# KiCad board MothBox.kicad_pcb (continued)
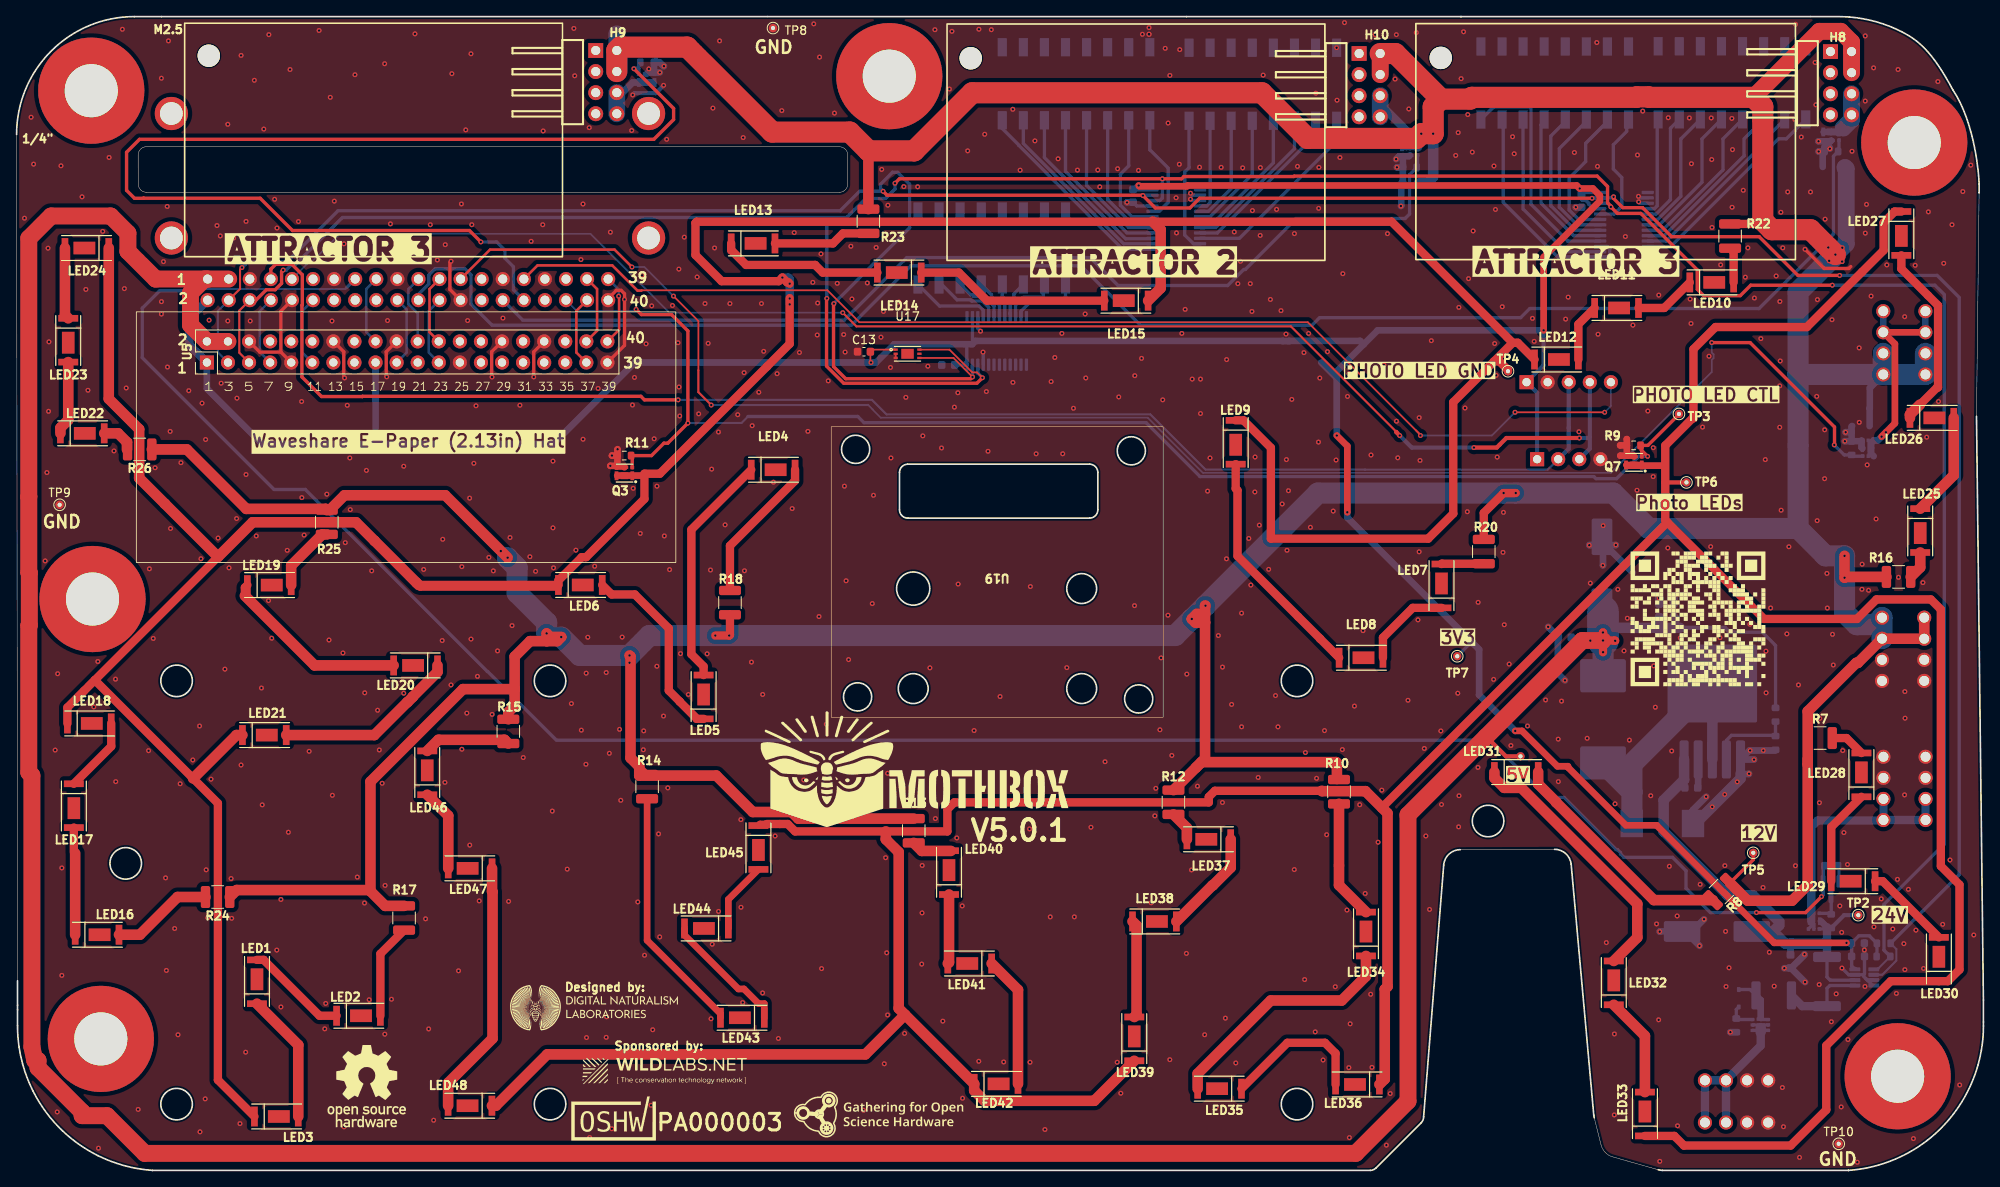
[diagram p0: board, top side]
## Nets
+3.3V: C6.1 C7.2 C8.1 C9.2 C12.2 C13.2 H1.1 R5.2 R6.2 TP7.1 U3.4 U5.1 U5.17 U7.2 U8.1 U9.2 U9.24 U15.24 U16.21 U16.24 U17.1
+5V: C4.1 C5.1 C10.1 C11.1 L1.2 R2.1 TP1.1 U5.2 U5.4 U7.1 U7.3
+12V: D2.1 D5.1 D6.1 D7.1 H8.2 H8.4 H9.2 H9.4 H10.2 H10.4 J1.1 J1.2 J4.3 J4.4 R7.1 R8.1 R10.1 R12.1 R13.1 R14.1 R15.1 R16.1 R17.1 R18.1 R20.1 R22.1 R23.1 R24.1 R25.1 R26.1 TP5.1
+24V: C1.1 C2.1 C3.1 Q8.4 Q8.7 R4.1 R30.1 TP2.1 U2.5 U3.2
GND: C1.2 C2.2 C4.2 C5.2 C6.2 C7.1 C8.2 C9.1 C10.2 C11.2 C12.1 C13.1 D2.2 D5.2 D6.2 D7.2 E1.2 H1.4 J1.3 J1.4 J2.1 J2.2 J3.1 J3.2 Q2.2 Q3.4 Q3.7 Q4.4 Q4.7 Q5.4 Q5.7 Q6.4 Q6.7 Q7.4 Q7.7 Q9.4 Q9.7 R1.2 R3.2 R9.2 R11.2 R19.2 R21.2 R27.2 R29.2 R31.2 TP8.1 TP9.1 TP10.1 U2.1 U3.3 U3.7 U3.8 U5.6 U5.9 U5.14 U5.20 U5.25 U5.30 U5.34 U5.39 U7.5 U7.10 U7.13 U7.19 U7.26 U7.29 U7.33 U7.40 U8.2 U9.3 U9.12 U9.21 U10.1 U10.2 U10.3 U10.4 U10.5 U10.6 U10.7 U10.8 U11.1 U11.2 U11.3 U11.4 U11.5 U11.6 U11.7 U11.8 U12.1 U12.2 U12.3 U12.4 U12.5 U12.6 U12.7 U12.8 U13.1 U13.2 U13.3 U13.4 U13.5 U13.6 U13.7 U13.8 U14.1 U14.2 U14.3 U14.4 U14.5 U14.6 U14.7 U14.8 U15.2 U15.3 U15.12 U15.21 U16.2 U16.3 U16.12 U17.2 U17.3
/GPS and Switches and Light Sensor/Armed/Disarmed: U11.9 U15.20
/GPS and Switches and Light Sensor/Attractor_1: U9.7 U12.13
/GPS and Switches and Light Sensor/Attractor_2: U9.8 U12.12
/GPS and Switches and Light Sensor/Attractor_3: U9.9 U12.11
/GPS and Switches and Light Sensor/C1: U9.10 U12.10
/GPS and Switches and Light Sensor/C2: U9.11 U12.9
/GPS and Switches and Light Sensor/Fri: U11.14 U15.15
/GPS and Switches and Light Sensor/HI/LOW_PWR: U9.5 U12.15
/GPS and Switches and Light Sensor/Hour_1: U13.16 U16.4
/GPS and Switches and Light Sensor/Hour_2: U13.15 U16.5
/GPS and Switches and Light Sensor/Hour_3: U13.14 U16.6
/GPS and Switches and Light Sensor/Hour_4: U13.13 U16.7
/GPS and Switches and Light Sensor/Hour_5: U13.12 U16.8
/GPS and Switches and Light Sensor/Hour_6: U13.11 U16.9
/GPS and Switches and Light Sensor/Hour_7: U13.10 U16.10
/GPS and Switches and Light Sensor/Hour_8: U13.9 U16.11
/GPS and Switches and Light Sensor/Hour_9: U14.16 U16.15
/GPS and Switches and Light Sensor/Hour_10: U14.15 U16.14
/GPS and Switches and Light Sensor/Hour_11: U14.14 U16.13
/GPS and Switches and Light Sensor/Hour_12: U14.13 U16.16
/GPS and Switches and Light Sensor/Hour_13: U14.12 U16.17
/GPS and Switches and Light Sensor/Hour_14: U14.11 U16.18
/GPS and Switches and Light Sensor/Hour_15: U14.10 U16.19
/GPS and Switches and Light Sensor/Hour_16: U14.9 U16.20
/GPS and Switches and Light Sensor/Hour_17: U10.15 U15.4
/GPS and Switches and Light Sensor/Hour_18: U10.14 U15.5
/GPS and Switches and Light Sensor/Hour_19: U10.13 U15.6
/GPS and Switches and Light Sensor/Hour_20: U10.12 U15.7
/GPS and Switches and Light Sensor/Hour_21: U10.11 U15.8
/GPS and Switches and Light Sensor/Hour_22: U10.10 U15.9
/GPS and Switches and Light Sensor/Hour_23: U10.9 U15.10
/GPS and Switches and Light Sensor/Hour_24: U10.16 U15.11
/GPS and Switches and Light Sensor/INT/EXT_Attractor: U9.6 U12.14
/GPS and Switches and Light Sensor/Mon: U11.10 U15.19
/GPS and Switches and Light Sensor/Sat: U11.15 U15.14
/GPS and Switches and Light Sensor/Sun: U11.16 U15.13
/GPS and Switches and Light Sensor/Test_Debug: U9.4 U12.16
/GPS and Switches and Light Sensor/Thur: U11.13 U15.16
/GPS and Switches and Light Sensor/Tue: U11.11 U15.18
/GPS and Switches and Light Sensor/Wed: U11.12 U15.17
/RPI5/GPIO4/GPIO_GCKL: U5.7 U7.8
/RPI5/Save for eink_11: U5.11 U7.12
/RPI5/Save for eink_18: U5.18 U7.17
/RPI5/Save for eink_19: U5.19 U7.20
/RPI5/Save for eink_22: U5.22 U7.21
/RPI5/Save for eink_23: U5.23 U7.24
/RPI5/Save for eink_24: U5.24 U7.23
/RPI5/Save for relay: U5.38 U7.37
/RPI5/Save for relay 2: U5.40 U7.39
/RPI5/Save for relay 3: U5.37 U7.38
EN_12VReg: Q2.1 R1.1 U7.15
GPS_PPS: U7.31 U8.5
GPS_RX: H1.2 U7.7 U8.3
GPS_TX: H1.3 U7.9 U8.4
PHOTO_LED_CTRL: Q3.3 Q7.3 R9.1 R11.1 TP3.1 U7.36
SCL: R5.1 U3.5 U5.5 U7.6 U9.22 U15.22 U16.22 U17.6
SDA: R6.1 U3.6 U5.3 U7.4 U9.23 U15.23 U16.23 U17.4
UV1_CTRL: Q5.3 R27.1 U7.22
UV2_CTRL: Q9.3 R21.1 U7.30
UV3_CTRL: Q6.3 R31.1 U7.32
UV4_EX_CTRL: Q4.3 R19.1 U7.25
Net-(D1-A): D1.2 Q1.3 R29.1
Net-(D1-K): D1.1 F2.1 Q1.4 Q1.7
Net-(E1-C): E1.1 L1.1 U2.3
Net-(H8-Pad6): H8.6 H8.8 Q5.1 Q5.2 Q5.5 Q5.6 Q5.8
Net-(H9-Pad6): H9.6 H9.8 Q6.1 Q6.2 Q6.5 Q6.6 Q6.8
Net-(H10-Pad6): H10.6 H10.8 Q9.1 Q9.2 Q9.5 Q9.6 Q9.8
Net-(J2-Pin_3): J2.3 J2.4 Q1.1 Q1.2 Q1.5 Q1.6 Q1.8
Net-(J3-Pin_3): J3.3 J3.4 Q8.1 Q8.2 Q8.5 Q8.6 Q8.8
Net-(J4-Pin_1): J4.1 J4.2 Q4.1 Q4.2 Q4.5 Q4.6 Q4.8
Net-(LED1-A): LED1.2 LED2.1
Net-(LED1-K): LED1.1 LED3.2
Net-(LED2-A): LED2.2 R17.2
Net-(LED4-A): LED4.2 R18.2
Net-(LED4-K): LED4.1 LED5.2
Net-(LED5-K): LED5.1 LED6.2
Net-(LED7-A): LED7.2 R20.2
Net-(LED7-K): LED7.1 LED8.2
Net-(LED8-K): LED8.1 LED9.2
Net-(LED10-A): LED10.2 R22.2
Net-(LED10-K): LED10.1 LED11.2
Net-(LED11-K): LED11.1 LED12.2
Net-(LED12-K): LED3.1 LED6.1 LED9.1 LED12.1 LED15.1 LED18.1 LED21.1 LED24.1 Q3.1 Q3.2 Q3.5 Q3.6 Q3.8 TP4.1
Net-(LED13-A): LED13.2 R23.2
Net-(LED13-K): LED13.1 LED14.2
Net-(LED14-K): LED14.1 LED15.2
Net-(LED16-A): LED16.2 R24.2
Net-(LED16-K): LED16.1 LED17.2
Net-(LED17-K): LED17.1 LED18.2
Net-(LED19-A): LED19.2 R25.2
Net-(LED19-K): LED19.1 LED20.2
Net-(LED20-K): LED20.1 LED21.2
Net-(LED22-A): LED22.2 R26.2
Net-(LED22-K): LED22.1 LED23.2
Net-(LED23-K): LED23.1 LED24.2
Net-(LED25-A): LED25.2 R16.2
Net-(LED25-K): LED25.1 LED26.2
Net-(LED26-K): LED26.1 LED27.2
Net-(LED27-K): LED27.1 LED30.1 LED33.1 LED36.1 LED39.1 LED42.1 LED45.1 LED48.1 Q7.1 Q7.2 Q7.5 Q7.6 Q7.8 TP6.1
Net-(LED28-A): LED28.2 R7.2
Net-(LED28-K): LED28.1 LED29.2
Net-(LED29-K): LED29.1 LED30.2
Net-(LED31-A): LED31.2 R8.2
Net-(LED31-K): LED31.1 LED32.2
Net-(LED32-K): LED32.1 LED33.2
Net-(LED34-A): LED34.2 R10.2
Net-(LED34-K): LED34.1 LED35.2
Net-(LED35-K): LED35.1 LED36.2
Net-(LED37-A): LED37.2 R12.2
Net-(LED37-K): LED37.1 LED38.2
Net-(LED38-K): LED38.1 LED39.2
Net-(LED40-A): LED40.2 R13.2
Net-(LED40-K): LED40.1 LED41.2
Net-(LED41-K): LED41.1 LED42.2
Net-(LED43-A): LED43.2 R14.2
Net-(LED43-K): LED43.1 LED44.2
Net-(LED44-K): LED44.1 LED45.2
Net-(LED46-A): LED46.2 R15.2
Net-(LED46-K): LED46.1 LED47.2
Net-(LED47-K): LED47.1 LED48.2
Net-(Q2-D): Q2.3 Q8.3 R30.2
Net-(U2-FB): R2.2 R3.1 U2.2
Net-(U2-VC): C3.2 U2.4
Net-(U3-IN+): F2.2 R4.2 U3.1

Pads without a net: H2 1; H3 1; H4 1; H5 1; H6 1; H7 1; H8 1 3 5 7; H9 1 3 5 7; H10 1 3 5 7; LED1 3; LED2 3; LED3 3; LED4 3; LED5 3; LED6 3; LED7 3; LED8 3; LED9 3; LED10 3; LED11 3; LED12 3; LED13 3; LED14 3; LED15 3; LED16 3; LED17 3; LED18 3; LED19 3; LED20 3; LED21 3; LED22 3; LED23 3; LED24 3; LED25 3; LED26 3; LED27 3; LED28 3; LED29 3; LED30 3; LED31 3; LED32 3; LED33 3; LED34 3; LED35 3; LED36 3; LED37 3; LED38 3; LED39 3; LED40 3; LED41 3; LED42 3; LED43 3; LED44 3; LED45 3; LED46 3; LED47 3; LED48 3; U5 8 10 12 13 15 16 21 26 27 28 29 31 32 33 35 36; U6 S1 S2 S3; U7 11 14 16 18 27 28 34 35; U9 1 13 14 15 16 17 18 19 20; U15 1; U16 1; U17 5 7

## Via types
v1: diameter 0.6, hole 0.3, Top to Bottom, 860 vias

## Routing (per net, layer and track width the routed paths; a pad name or vN(x,y) marks a point on that pad's centre or on a via; arc(x,y) is an arc through that point)
+3.3V: length 436.4
  Top w0.203: v1(102.95,97.34) 102.87,97.42 C13.2 103.12,98.89 U17.1
  Top w0.5: 211.76,27.42 206.11,33.07
  Top w0.8: v1(180.57,52.95) 181.39,52.95 185.65,48.69 186.92,48.69 186.92,48.57 193.91,41.58 197.6,41.58 205.68,33.51 ; 206.11,33.07 205.68,33.51 ; 205.68,33.51 211.76,27.42 v1(220.49,27.42) ; v1(160.34,79.29) 160.34,87.27 v1(159.07,88.54) ; v1(135.2,118.67) 135.29,118.58 141.01,118.58 141.1,118.67 187.97,118.67 v1(188.33,118.31) 189.92,118.31 190.76,117.46 190.76,116.8 183.99,110.02 v1(183.99,101.22)
  Bottom w0.2: 43.25,87.55 43.25,87.54
  Bottom w0.4: 114.3,97.31 114.5,97.51 114.5,99.34 114.3,99.54 ; 114.3,97.31 U9.24 ; 114.3,97.31 114.3,97.04 C12.2 ; C7.2 134.57,118.16 U15.24 ; 115.15,99.54 115.17,99.57 U9.2 ; 221.5,24.36 U3.4 221.1,24.62 C6.1 221.1,27.6 ; 175.66,63.33 174.97,63.33 TP7.1 ; U16.24 188.78,117.83 C9.2 188.55,116.98 188.63,116.9 189.06,116.9 189.42,116.54 189.42,116.42 189.97,115.88 U16.21 ; C8.1 221.96,28.26 223.25,28.26 R6.2 ; 224.15,25.77 224.15,27.42 224.16,27.43
  Bottom w0.5: v1(183.99,101.22) 183.99,97.03 U8.1 183.21,93.7 H1.1
  Bottom w0.8: v1(188.33,118.31) 188.55,118.1 C9.2 ; 162.31,99.53 161.9,99.94 153.33,99.94 153.3,99.91 152.6,99.91 152.57,99.94 115.55,99.94 115.15,99.54 105.75,99.54 103.55,97.34 74.47,97.34 64.67,87.54 29.58,87.54 22.93,94.2 U5.1 ; 159.07,95.47 159.07,96.29 164,101.22 v1(183.99,101.22) ; 159.07,95.47 157.2,97.34 ; 159.07,95.47 v1(159.07,88.54) ; C7.2 134.73,118.2 v1(135.2,118.67) ; U5.17 43.25,87.55 ; v1(180.57,52.95) 180.56,52.95 176.22,57.29 176.22,57.3 176.22,62.77 175.66,63.33 160.34,78.65 v1(160.34,79.29)
  Bottom w1: U5.1 20.8,99.48 20.8,102.64 U7.2
+5V: length 444.4
  Top w0.5: TP1.1 179.45,49.89 177.07,52.27
  Top w1: v1(191.14,64.81) 191.15,64.8 v1(191.15,63.84) ; v1(191.15,63.84) 192.58,63.84 v1(192.61,63.81) ; v1(191.15,63.84) v1(191.15,62.44)
  Top w2.032: U7.1 22.63,107.4 20.95,105.71 20.95,101.86 U5.2 U5.4 ; U7.1 U7.3 ; U7.1 16.75,107.4 13.41,110.73 13.41,112.92 11.34,115 4.15,115 1.47,112.31 1.47,81.17 1.47,81.17 1.47,72.06 1.53,72 1.53,65.69 1.47,65.63 1.47,47.96 1.84,47.58 1.84,14.89 2.19,13.25 2.58,13.25 2.58,12.36 7.9,7.04 7.9,6.59 10.9,6.59 15.44,2.05 161.35,2.05 167.65,8.34 167.65,42.84 188.65,63.84 v1(191.15,63.84)
  Bottom w0.4: 192.15,64.85 v1(191.15,63.84) ; 211.93,55.82 211.93,63.24 210.33,64.85 206.99,64.85
  Bottom w0.5: 191.15,67.34 193.1,65.39 205.85,65.39 206.39,64.85 206.99,64.85
  Bottom w0.8: v1(189.62,63.83) 187.76,63.83 187.37,64.23
  Bottom w1: 197.51,65.39 197.92,65.79 C11.1 ; 199.57,65.39 199.86,65.68 199.86,66.5 C10.1
  Bottom w1.27: 200.39,65.39 192.69,65.39 v1(191.15,63.84)
  Bottom w2.54: L1.2 v1(191.15,63.84)
  Bottom w3.81: v1(191.15,63.84) 191.15,67.34
+12V: length 815.6
  Top w0.4: TP5.1 209.25,37.44 R8.1
  Top w0.8: R14.1 73.97,49.7
  Top w1: v1(84.19,64.44) v1(85.86,64.44) 85.95,64.54 R18.1 ; v1(180.63,81.62) v1(179.17,81.62) 176.78,79.22 R20.1 ; 102.63,122.83 102.65,122.84 ; 210.4,114.43 210.01,114.04 R22.1 ; 215.84,55.33 R7.1 215.84,49.6 215.81,49.57
  Top w1.27: 42.64,33.65 42.64,46.84 53.79,57.99 60.01,57.99 ; 42.64,33.65 42.5,33.78 26.53,33.78 R24.1 ; 42.64,33.65 44.41,31.87 R17.1 ; 142.11,48.54 143.2,49.63 143.2,65.99 ; 142.11,48.54 R12.1 ; 142.11,48.54 142.76,49.19 159,49.19 159.08,49.11 159.08,47.16 ; 143.2,67.04 143.2,68.04 v1(143.25,68.04) ; 143.2,67.04 142.2,67.04 v1(141.6,66.45) 142.05,65.99 143.2,65.99 ; 143.2,67.04 143.2,65.99 ; v1(59.16,73.83) 51.65,81.34 39.5,81.34 37.73,79.57 37.38,79.57 37.24,79.71 27.68,79.71 20.52,86.87 R26.1 ; 63.87,63.77 v1(63.87,64.7) 64.3,64.27 v1(65.62,64.27) 65.13,63.77 63.87,63.77 ; 63.87,63.77 61.87,63.77 60.01,61.91 60.01,57.99 ; R8.1 208.59,32.49 213.91,32.49 215.81,34.39 215.81,48.93 ; R13.1 94.18,42.39 93.39,43.18 88.7,43.18 84.31,47.57 75.02,47.57 75.02,48.65 73.97,49.7 73.97,61.93 v1(73.85,62.04) ; 215.81,48.93 215.81,49.57 ; 215.81,48.93 215.81,55.3 221.66,61.15 221.86,61.15 J1.2 J1.2 J1.1 ; v1(220.25,74.05) v1(220.25,71.41) 220.35,71.51 R16.1 ; R23.1 102.63,122.83 ; R15.1 59.25,55.21 60.01,55.98 60.01,57.99
  Top w2.032: H8.4 H8.2 221.09,135.95 219.8,137.24 217.22,137.24 209.27,129.29 ; H10.4 H10.2
  Top w2.54: H9.4 H9.2 72.72,135.35 80.8,135.35 91.03,125.11 100.38,125.11 102.65,122.84 108.15,122.84 115.15,129.84 150.04,129.84 155.54,124.34 168.68,124.34 v1(169.25,124.91) v1(170.68,124.91) 170.68,128.15 171.61,129.08 ; 171.61,129.08 166.12,134.57 H10.2 ; 171.61,129.08 175.13,129.08 175.35,129.29 195.16,129.29 195.22,129.35 196.64,129.35 196.7,129.29 209.27,129.29 210.4,128.16 210.4,114.43 211.48,113.34 216.15,113.34 v1(218.29,111.2) v1(219.15,110.34)
  Bottom w0.5: 73.85,135.41 72.32,136.94 ; D7.1 73.32,135.41
  Bottom w0.8: 219.71,110.91 v1(219.15,110.34) ; D5.1 223.26,91.82 223.29,91.84 223.29,94.28 J4.4
  Bottom w1: D7.1 73.85,135.41 ; 73.32,135.41 72.32,134.4
  Bottom w1.27: 169.46,125.12 169.67,124.91 v1(170.68,124.91) 170.68,119.73 169.88,118.93 D2.1
  Bottom w2.032: 220.3,120.84 220.45,120.69 220.45,111.64 219.45,110.64 ; 72.32,134.4 72.32,136.94
  Bottom w2.54: v1(63.87,64.7) 63.87,66.03 60.31,69.58 60.31,72.62 59.16,73.77 v1(59.16,73.83) ; v1(65.62,64.27) 67.85,62.04 v1(73.85,62.04) 76.25,64.44 v1(84.19,64.44) v1(85.86,64.44) 139.6,64.44 v1(141.6,66.45) 141.65,66.45 v1(143.25,68.04) 143.25,68.06 156.8,81.62 v1(179.17,81.62) v1(180.63,81.62) 192.38,81.62 196.65,77.35 214.65,77.35 ; 214.65,77.35 214.65,95.95 ; 214.65,77.35 217.94,74.05 v1(220.25,74.05) v1(220.25,71.41) 220.25,67.22 221.72,65.75 223.92,65.75 J1.1 J1.2 ; H9.4 72.32,134.4 ; J4.4 214.7,95.9 214.65,95.95 ; J4.4 J4.4 J4.3 ; J4.4 J4.3 ; 214.65,95.95 214.65,105.84 v1(219.15,110.34)
  vias: v1(58.34,74.62) v1(73.85,61.17) v1(218.4,109.59) v1(219.98,111.18) v1(219.96,109.5)
+24V: length 56.1
  Bottom w0.4: R4.1 218.13,23.3 218.51,22.93 U3.2 ; 218.13,29.31 217.92,29.1 217.21,29.1
  Bottom w0.5: R30.1 220.19,30.75 TP2.1
  Bottom w0.8: 213.74,26.03 213.74,27.29 ; 218.13,29.31 217.41,30.03 ; 213.81,27.26 213.88,27.33
  Bottom w1: 218.13,29.31 R4.1
  Bottom w1.27: 218.13,27.33 213.1,27.33 211.64,28.79 ; U2.5 200.92,47.07 198.45,44.6 198.45,40.84 206.16,33.13 209.22,33.13 212.38,29.97 212.38,29.54 211.64,28.79 ; 211.64,28.79 C1.1
GND: length 181.8
  Top w0.203: U17.2 U17.3
  Top w0.4: U7.10 31.84,103.52 31.84,98.6 ; U5.14 39.42,98.63 39.42,95.58 v1(39.52,95.49) ; v1(52.35,109.54) 52.21,109.41 52.21,106.15 U7.26 ; 31.84,98.6 U5.9 ; 31.84,98.6 29.3,98.6 U5.6 ; U5.34 62.31,98.63 v1(62.31,95.6) ; v1(57.28,95.59) 57.24,95.63 57.24,98.63 U5.30 ; v1(44.59,95.62) 44.54,95.67 44.54,98.63 U5.20 ; v1(215.49,110.97) 217.79,108.67 220.77,108.67 221,108.91 ; U5.39 73.25,99.41 73.25,105.62 72.84,106.03 72.26,106.03 71.28,105.05 U7.40 ; v1(116.15,101.12) 116.12,101.09
  Top w0.8: 194.01,86.12 194.01,86.13 R9.2 ; 194.01,86.12 194.77,86.12 Q7.7 ; 194.01,86.12 193.24,86.12 193.23,86.12 ; v1(72.41,86.89) 72.39,86.87 R11.2 ; R9.2 194.01,88.11 194,88.12 ; R9.2 193.21,87.36 193.21,87.35 ; R11.2 71.74,86.13 v1(71.73,86.13) ; R11.2 72.39,84.9 ; 72.39,84.9 72.32,84.82 ; 72.39,84.9 v1(71.54,84.9) ; 72.32,84.82 73.13,84.82 Q3.7 ; 72.32,84.82 72.28,84.82
  Bottom w0.4: v1(195.44,116.7) 195.61,116.53 U16.3 ; U3.7 223,22.93 222.8,23.13 ; 222.8,23.13 223.65,22.28 U3.8 ; 222.8,23.13 222.55,23.37 222.55,23.58 ; R1.2 219.57,36.6 Q2.2 ; v1(219.93,24.38) 220.73,23.58 U3.3 222.55,23.58 ; U9.21 116.47,98.57 v1(116.45,98.59) ; v1(141.44,117.74) 141.68,117.51 U15.2 ; v1(141.44,117.03) 141.61,116.86 U15.3 ; 222.55,23.58 222.65,23.67 C6.2 222.65,26.55 v1(222.64,26.56) 222.64,27.37 C8.2 ; U16.2 195.61,117.18 v1(195.42,117.37) ; 116.82,93.82 v1(116.85,93.84) ; C7.1 134.97,116.21 U15.21 ; v1(143.69,110.97) 143.65,111.01 U15.12 ; v1(116.15,101.12) 115.82,101.44 115.82,102.81
  Bottom w0.5: R31.2 77.02,133.72 D7.2 ; v1(196.55,110.24) 196.53,110.26 U16.12 ; v1(77.96,130.74) 77.02,129.8 74.45,129.8 v1(74.23,129.58)
  Bottom w0.8: 191.15,75.34 191.15,77.67 v1(191.17,77.69) ; 191.15,75.34 191.42,75.34 v1(194.74,72.02) ; 191.15,75.34 191.15,72.92 v1(191.13,72.9) ; 191.15,75.34 192.67,75.34 v1(192.68,75.36) ; 191.15,75.34 189.51,75.34 v1(189.49,75.33) ; v1(215.49,22.69) 213.82,24.36 213.81,24.36 ; 76.9,132.29 76.8,132.39 R31.2 77.5,133.5 77.95,133.04 v1(78,133.04) ; 76.9,132.29 76.1,132.29 Q6.7 ; 76.9,132.29 v1(77.5,132.29) ; U2.1 209.33,49.51 v1(209.34,49.5) ; U2.1 207.72,47.76 208.7,47.76 v1(208.74,47.8) ; U2.1 208.8,50.59 v1(208.88,50.59) v1(210.46,50.59) 211.93,50.59 ; R19.2 222.3,87.86 ; R19.2 220.29,87.86 v1(220.29,87.86) ; R19.2 221.1,88.95 ; 222.3,87.86 222.3,87.96 ; 222.3,87.86 222.3,87.11 Q4.7 ; R21.2 167.04,122.17 ; R21.2 166.33,120.85 v1(166.32,120.86) ; R21.2 167.04,119.13 D2.2 166.84,116.24 v1(166.79,116.19) ; 167.04,122.17 166.54,122.17 v1(166.22,121.85) ; 167.04,122.17 167.01,122.2 ; C1.2 201.04,28.79 v1(202.77,27.06) ; C1.2 201.86,28.79 v1(203.32,30.26) ; C1.2 198,28.79 v1(197.97,28.77) ; D5.2 221.1,89.62 221.1,88.95 ; v1(187.86,116.05) 187.87,116.05 C9.1 ; 167.01,122.2 166.9,122.2 ; 167.01,122.2 167.75,122.2 Q9.7 ; 218.06,123.53 217.82,123.29 R27.2 ; 218.06,123.53 218.53,124 ; 218.06,123.53 218.15,123.53 218.47,123.2 v1(218.47,123.11) ; v1(215.42,26.04) 215.42,25.97 213.81,24.36 ; R27.2 217.61,122.56 D6.2 ; R27.2 217.13,122.77 v1(217.13,122.77) ; 218.53,124 217.11,124 v1(217.11,124) ; 218.53,124 Q5.7 ; R29.2 206.5,16.65 v1(206.5,16.66) ; 221.1,88.95 220.39,88.95 v1(220.38,88.94) ; 213.81,24.36 v1(212.99,24.36) ; v1(203.57,45.02) 201.99,43.44 E1.2 ; v1(184.54,65.5) 185.72,64.32 185.72,59.89 v1(186.56,59.04) ; v1(133.79,116.63) 133.81,116.65 C7.1
  Bottom w1: v1(199.65,68.97) 199.65,68.97 C10.2 ; C11.2 197.92,68.95 v1(197.9,68.97)
  Bottom w1.27: 202.02,43.05 202.02,41.83 E1.2 202.3,41.79 v1(204.31,43.81) v1(205.81,45.31) v1(207.32,46.82) 207.72,47.21 207.72,47.76
  vias: v1(0.95,114.73) v1(1.75,126.89) v1(2.05,121.24) v1(3.44,73.44) v1(3.65,84.08) v1(3.79,111.12) v1(3.9,99.83) v1(3.85,91.46) v1(4.65,50.64) v1(4.9,7.04) v1(4.95,59.84) v1(5.35,121.04) v1(5.45,36.44) v1(5.45,23.49) v1(7.88,117.3) v1(8.35,106.14) v1(8.6,93.99) v1(9.3,55.84) v1(9.79,61.32) v1(9.87,2.68) v1(10.38,113.14) v1(11.15,122.04) v1(11.73,86.69) v1(11.92,59.19) v1(11.95,46.84) v1(12.75,137.49) v1(12.98,106.24) v1(13.21,94.27) v1(14.65,7.34) v1(15.9,50.57) v1(16,72.49) v1(16.46,64.1) v1(16.69,84.66) v1(17.45,131.59) v1(17.45,104.67) v1(17.45,103.18) v1(17.7,109.49) v1(17.95,35.24) v1(18.05,24.09) v1(18.15,116.14) v1(18.18,96.8) v1(18.3,136.09) v1(18.5,89.04) v1(18.55,77.34) v1(19.05,29.14) v1(19.45,16.34) v1(19.71,46.59) v1(19.8,85.27) v1(20.75,93.94) v1(21.23,49.45) v1(22.05,53.54) v1(22.1,4.64) v1(22.21,73.7) v1(22.35,92.44) v1(22.77,88.06) v1(22.73,8.62) v1(22.84,36.22) v1(23.04,30.43) v1(23.42,47.14) v1(24.15,113.84) v1(24.28,76.19) v1(24.55,112.59) v1(24.65,94.84) v1(25.1,60.39) v1(25.45,126.04) v1(25.45,102.34) v1(25.6,72.6) v1(25.84,35.17) v1(25.92,30.37) v1(26.15,112.34) v1(26.55,93.04) v1(26.51,78.54) v1(26.91,5.64) v1(27.05,134.34) v1(27.05,48.84) v1(27.65,114.34) v1(27.65,83.84) v1(27.6,14.24) v1(28.15,102.34) v1(28.65,131.34) v1(28.88,76.44) v1(29.5,58.12) v1(29.6,44.04) v1(29.78,125.47) v1(30.35,68.66) v1(30.4,136.84) v1(30.74,64.12) v1(31.09,117.01) v1(31.38,113.54) v1(31.35,26.54) v1(31.85,32.64) v1(31.85,19.69) v1(32.61,74.71) v1(32.75,40.74) v1(32.95,132.64) v1(33.96,114.33) v1(34.35,92.64) v1(34.37,81.07) v1(34.64,76.55) v1(35.25,50.49) v1(36.45,137.34) v1(37.13,17.05) v1(37.25,20.12) v1(37.38,81.48) v1(37.65,63.91) v1(37.8,129.29) v1(38,102.34) v1(38.05,45.19) v1(38.28,116.79) v1(39.32,62.35) v1(39.45,111.64) v1(39.45,5.24) v1(39.6,75.64) v1(39.85,92.18) v1(40.15,85.84) v1(40.2,79.62) v1(40.77,132.02) v1(41.05,35.34) v1(41.95,57.54) v1(41.92,32.22) v1(42.15,84.34) v1(42.48,20.56) v1(42.79,72.24) v1(43.5,55.44) v1(43.71,50.66) v1(44.05,46.64) v1(44.35,133.34) v1(44.36,16.41) v1(44.4,34.33) v1(44.7,102.39) v1(45.05,114.04) v1(45.17,20.62) v1(46.65,84.84) v1(46.65,57.49) v1(47.75,111.54) v1(48,136.94) v1(49.05,72.41) v1(49.27,30.31) v1(49.65,17.04) v1(49.85,113.94) v1(50.25,6.04) v1(50.7,109.69) v1(51.28,63.84) v1(51.35,76.04) v1(51.65,111.54) v1(51.61,46.75) v1(52.34,58.5) v1(52.45,132.14) v1(53.25,24.04) v1(53.6,116.44) v1(53.65,72.74) v1(53.65,50.74) v1(54.12,125.37) v1(54.25,55.09) v1(54.35,102.39) v1(54.58,81) v1(54.6,39.19) v1(54.75,134.54) v1(54.75,64.02) v1(54.85,113.94) v1(55.1,85.19) v1(55.35,92.13) v1(55.53,59.53) v1(55.74,32.47) v1(56.91,73.86) v1(57.3,54.94) v1(57.44,72.23) v1(57.95,62.59) v1(58.6,102.69) v1(59.28,32.41) v1(59.45,76.25) v1(59.7,65.64) v1(60.64,92.19) v1(61.05,49.74) v1(61.85,73.94) v1(62,111.94) v1(62.53,72.18) v1(63.45,125.24) v1(63.4,113.94) v1(64.55,43.29) v1(64.63,85.46) v1(64.63,77.42) v1(64.69,72.6) v1(66.35,36.29) v1(66.85,56.24) v1(67.15,137.59) v1(67.25,131.89) v1(67.39,74.73) v1(68,109.74) v1(68.05,53.04) v1(68.25,116.44) v1(68.25,88.1) v1(68.63,59.91) v1(68.6,48.93) v1(68.67,16) v1(68.82,64.24) v1(69,125.64) v1(69.05,3.96) v1(69.65,72.79) v1(70.07,94.22) v1(71.04,59.99) v1(71.09,18.5) v1(71.04,16.03) v1(71.42,50.26) v1(71.55,113.04) v1(71.73,5.02) v1(72.65,53.14) v1(72.8,44.59) v1(72.96,64.26) v1(73.25,104.94) v1(74.11,125.29) v1(74.2,92.22) v1(74.29,82.18) v1(74.45,95.54) v1(74.85,32.34) v1(75.15,76.74) v1(75.37,107.84) v1(75.56,52.96) v1(75.52,50.68) v1(75.66,25.92) v1(75.85,99.59) v1(76.18,132.72) v1(76.45,7.84) v1(76.52,104.17) v1(76.65,16.94) v1(76.82,88.15) v1(77.15,82.44) v1(77.15,60.74) v1(77.35,40.54) v1(77.49,28.13) v1(77.95,54.74) v1(78.05,76.44) v1(78.33,124.23) v1(78.46,46.09) v1(78.68,72.39) v1(79.02,104.21) v1(79.69,99.73) v1(79.8,108.59) v1(79.81,94.39) v1(79.9,90.9) v1(79.99,62.26) v1(80.45,112.44) v1(80.94,57.34) v1(82,107.64) v1(82.18,91.16) v1(82.95,104.44) v1(83.2,62.24) v1(83.32,99.65) v1(83.61,72.34) v1(83.67,18.27) v1(83.75,84.49) v1(83.9,127.99) v1(83.82,27.25) v1(84.1,111.14) v1(84.56,88.97) v1(84.58,31.21) v1(84.7,136.09) v1(85.37,77.79) v1(85.95,104.44) v1(86.89,91.06) v1(87.27,42.27) v1(87.28,31.7) v1(87.49,20.23) v1(87.55,124.44) v1(87.66,96.12) v1(87.7,72.25) v1(88.55,61.24) v1(88.63,89.73) v1(89.43,93.76) v1(89.75,104.44) v1(89.9,57.34) v1(89.88,21.38) v1(90.02,98.69) v1(91.2,82.92) v1(91.39,40.29) v1(91.63,96) v1(91.79,15.9) v1(92.2,127.69) v1(93.45,79.74) v1(93.7,112.99) v1(94.32,98.55) v1(94.85,47.04) v1(95.35,89.04) v1(95.93,107) v1(96.05,138.14) v1(96.47,100.66) v1(96.52,104.51) v1(96.68,66.73) v1(96.75,134.14) v1(96.92,110.43) v1(96.99,24.32) v1(97.56,53.77) v1(97.8,95.13) v1(98.55,127.39) v1(98.88,106.88) v1(99.66,100.71) v1(99.75,82.44) v1(99.83,98.6) v1(99.95,71.04) v1(100.25,61.54) v1(100.52,111.35) v1(100.65,104.99) v1(102.05,7.24) v1(102.5,106.93) v1(103.1,68.29) v1(103.25,81.34) v1(103.57,111.2) v1(104.15,100.39) v1(104.24,120.6) v1(104.45,103.49) v1(104.55,12.84) v1(104.71,37.68) v1(104.84,26.22) v1(104.98,116.29) v1(104.95,47.84) v1(104.95,18.73) v1(105.3,96.74) v1(105.35,85.84) v1(106.31,104.63) v1(106.9,118.53) v1(106.99,16.51) v1(107.15,93.14) v1(108.57,118.51) v1(109.06,24.86) v1(109.19,88.51) v1(109.12,36.74) v1(109.1,31.03) v1(109.8,96.89) v1(110.04,60.55) v1(110.65,137.44) v1(110.7,42.39) v1(111.45,87.04) v1(111.6,17.98) v1(112.4,130.29) v1(112.7,137.24) v1(113,91.97) v1(113.28,40.05) v1(113.41,93.7) v1(113.45,70.64) v1(113.94,31.87) v1(113.97,8.69) v1(114.6,122.84) v1(115.37,53) v1(115.95,137.49) v1(115.93,13.15) v1(116.65,124.84) v1(117.05,86.64) v1(117.45,137.44) v1(118.5,57.09) v1(118.93,13.07) v1(120.03,127.85) v1(120.05,94.94) v1(120.92,120.52) v1(122.05,41.14) v1(122.15,70.34) v1(122.11,13.03) v1(122.7,124.05) v1(122.85,86.34) v1(123.9,4.93) v1(124.55,30.54) v1(124.65,95.04) v1(125.1,97.94) v1(125.49,121.89) v1(125.95,100.84) v1(126.05,86.34) v1(126.54,60.58) v1(127.34,91.83) v1(127.45,30.54) v1(127.82,120.53) v1(128.75,103.19) v1(128.82,95.48) v1(129.45,41.34) v1(130.27,120.54) v1(130.51,118.51) v1(131.15,49.24) v1(132.66,120.69) v1(132.61,13.03) v1(132.8,93.19) v1(133.05,9.3) v1(134.73,95.75) v1(134.7,68.04) v1(135.17,120.49) v1(135.55,97.84) v1(135.65,136.89) v1(136.45,137.69) v1(136.45,136.89) v1(136.45,136.89) v1(136.7,32.24) v1(137.14,42.72) v1(137.27,46.03) v1(137.76,53.09) v1(137.9,61.75) v1(138.1,92.84) v1(138.4,135.19) v1(138.75,126.19) v1(138.73,66.89) v1(138.96,131.93) v1(138.95,13.34) v1(139.2,49.99) v1(139.71,117.2) v1(139.76,112.96) v1(140.1,121.23) v1(140.15,135.04) v1(140.4,100.84) v1(140.8,103.74) v1(141,59.79) v1(140.95,26.14) v1(141.57,36.2) v1(141.65,95.34) v1(142.28,46.29) v1(142.53,120.88) v1(142.65,95.34) v1(142.65,91.19) v1(143.15,16.34) v1(143.5,81.84) v1(143.8,85.84) v1(144.55,7.64) v1(144.8,64.44) v1(145.14,120.86) v1(145.29,44.33) v1(145.3,60.64) v1(145.65,18.34) v1(145.78,73.69) v1(145.8,97.69) v1(146.4,56.14) v1(146.72,113.07) v1(146.9,12.94) v1(147.15,106.84) v1(147.46,109.54) v1(147.6,67.14) v1(147.6,53.44) v1(147.73,120.8) v1(148.47,76.14) v1(148.65,106.84) v1(148.71,70.53) v1(148.85,103.49) v1(148.9,115.65) v1(149.22,85.96) v1(149.2,81.74) v1(149.6,47.34) v1(149.74,77.75) v1(149.86,120.83) v1(149.84,112.65) v1(150.2,131.97) v1(150.86,72.42) v1(151.07,104.94) v1(151.69,57.21) v1(151.81,115.79) v1(151.98,53.44) v1(152.35,103.59) v1(152.49,80.3) v1(152.95,100.76) v1(153,85.64) v1(153.07,74.71) v1(153.25,81.89) v1(153.65,92.89) v1(153.96,112.87) v1(153.95,36.24) v1(154.33,120.97) v1(155.11,98.53) v1(155.28,50.34) v1(155.2,22.99) v1(155.67,100.84) v1(155.89,77.49) v1(156.47,16.7) v1(156.55,129.79) v1(156.63,47.24) v1(156.89,115.92) v1(156.86,87.76) v1(156.92,120.86) v1(157.02,95.47) v1(157.42,13.3) v1(157.59,52.99) v1(157.85,40.44) v1(157.95,98.64) v1(158.64,79.44) v1(158.89,22.13) v1(158.98,85.59) v1(159.05,135.27) v1(159.1,128.94) v1(159.45,122.04) v1(159.74,50.71) v1(159.8,108.04) v1(160,138.29) v1(160.29,31.37) v1(160.36,93.26) v1(160.55,95.99) v1(160.52,12.38) v1(160.58,3.95) v1(160.68,17.66) v1(161.2,55.94) v1(161.83,44.06) v1(162.23,65.04) v1(162.49,33.37) v1(163.19,86.2) v1(163.15,21.22) v1(163.3,12.41) v1(163.7,136.84) v1(164.05,39.54) v1(164.49,45.82) v1(164.75,97.04) v1(165.05,3.04) v1(165.18,112.87) v1(165.51,9.26) v1(166.1,131.49) v1(166.25,136.84) v1(166.26,90.27) v1(166.41,85.86) v1(167.55,96.84) v1(167.65,56.64) v1(167.75,127.89) v1(168.65,137.09) v1(168.85,66.33) v1(168.99,74.53) v1(169,90.7) v1(169.1,85.54) v1(169.61,50.84) v1(169.8,40.29) v1(170.25,31.44) v1(170.46,99.97) v1(171.61,52.95) v1(171.69,44.09) v1(172.35,96.74) v1(173.4,122.29) v1(173.65,57.49) v1(173.7,125.04) v1(173.78,103.98) v1(173.75,41.39) v1(173.8,45.14) v1(174.05,131.54) v1(174.35,137.19) v1(174.52,91.86) v1(174.85,127.22) v1(174.8,79.36) v1(174.95,107.44) v1(175.4,122.69) v1(175.5,113.19) v1(176.1,68.44) v1(176.08,48.55) v1(177.97,59.16) v1(178,121.02) v1(178.09,99.63) v1(178.18,115.79) v1(178.27,95.79) v1(178.4,85.94) v1(179.01,104.06) v1(179.15,79.29) v1(179.1,74.46) v1(179.25,65.74) v1(179.84,61.01) v1(180.05,51.19) v1(180.25,124.54) v1(180.45,122.49) v1(182.05,53.54) v1(182.64,102.67) v1(182.86,99.89) v1(184.22,56.68) v1(185.75,51.96) v1(185.76,46.84) v1(186.15,56.54) v1(186.64,102.57) v1(186.95,105.22) v1(187.7,122.64) v1(188.25,88.99) v1(189.24,52.06) v1(189.62,70.76) v1(190.4,135.89) v1(190.48,120.98) v1(190.55,100.74) v1(191.55,27.44) v1(192.59,44.17) v1(192.52,16.44) v1(192.51,6.68) v1(192.93,70.01) v1(193.68,62.6) v1(193.84,112.52) v1(194.08,66.53) v1(194.33,51.85) v1(194.75,101.84) v1(195.24,81.95) v1(195.3,122.34) v1(195.93,127.63) v1(196.55,91.49) v1(196.9,45.14) v1(197.19,83.6) v1(197.2,87.08) v1(197.26,60.79) v1(197.45,55.81) v1(197.6,29.69) v1(197.86,105.46) v1(197.85,18.14) v1(197.98,1.09) v1(198.95,75) v1(199.01,126.84) v1(199.14,36.64) v1(199.42,50.53) v1(200.08,30.66) v1(200.13,5.37) v1(200.45,64.16) v1(201.55,126.81) v1(201.64,104.99) v1(201.75,102.04) v1(201.8,121.29) v1(202.85,34.46) v1(203.14,89.56) v1(203.92,98.1) v1(204.19,126.81) v1(204.12,75.16) v1(204.25,121.79) v1(204.28,113.62) v1(205.24,64.2) v1(205.32,109.11) v1(205.83,36.72) v1(205.91,28.8) v1(205.97,22.15) v1(206.33,24.41) v1(206.67,126.75) v1(206.75,122.99) v1(206.7,116.04) v1(208.05,118.09) v1(208.3,107.62) v1(208.6,111.16) v1(208.84,65.81) v1(209.39,105.11) v1(210.16,100.22) v1(210.43,34.09) v1(210.7,85.64) v1(210.78,62.56) v1(210.8,57.55) v1(211.19,26.29) v1(211.34,67.77) v1(211.77,22.2) v1(212.01,107.77) v1(212.46,104.69) v1(212.44,94.53) v1(212.44,89.54) v1(212.57,115.45) v1(212.5,97.53) v1(212.61,79.54) v1(212.75,9.98) v1(212.8,111.16) v1(212.89,5.26) v1(213.3,64.64) v1(213.4,117.89) v1(213.54,75.15) v1(214.27,126.61) v1(214.35,138.09) v1(214.33,36.71) v1(214.7,58.49) v1(214.82,1.57) v1(215.04,124.51) v1(216.15,117.89) v1(216.7,133.49) v1(216.8,128.39) v1(216.98,104.92) v1(216.9,93.26) v1(216.95,78.29) v1(217.19,22.39) v1(217.26,54.46) v1(217.22,44.3) v1(217.85,89.24) v1(217.85,83.34) v1(217.91,114.61) v1(218.13,71.93) v1(218.18,67.76) v1(218.66,17.91) v1(218.74,102.5) v1(218.8,64.59) v1(218.9,60.89) v1(219.24,21.27) v1(219.68,31.87) v1(219.85,7.64) v1(219.9,28.68) v1(220.03,50.58) v1(220.17,40.7) v1(220.6,36.86) v1(220.66,15.77) v1(221.15,122.79) v1(221.78,0.98) v1(222.01,99.11) v1(222.02,90.13) v1(222.37,73.04) v1(222.34,70.02) v1(222.75,136.69) v1(222.75,128.84) v1(222.75,112.93) v1(222.71,22.16) v1(222.9,116.39) v1(222.98,85.01) v1(223.15,69.89) v1(223.45,105.34) v1(223.75,132.84) v1(223.79,29.34) v1(224.05,78.49) v1(224.67,32.72) v1(225.34,109.1) v1(226.06,29.08) v1(226.49,21.32) v1(226.62,35.07) v1(226.7,132.64) v1(226.75,71.46) v1(227.4,27.32) v1(227.49,102.86) v1(227.48,45.24) v1(227.51,57.69) v1(227.54,54.49) v1(227.52,24.19) v1(227.94,33.87) v1(228.55,3.83) v1(228.76,109.05) v1(228.85,28.95) v1(229.69,70.83) v1(229.77,24.33) v1(230.15,88.34) v1(230.35,115.49) v1(231.5,131.19) v1(231.57,92.64) v1(232.07,29.65) v1(232.2,109.29) v1(232.95,37.4) v1(233.2,113.94) v1(234.12,10.29) v1(234.5,117.94) v1(235.46,121.12) v1(235.82,28.36)
(no net):
  vias: v1(23.2,102.44)
/GPS and Switches and Light Sensor/Armed/Disarmed: length 13.1
  Bottom w0.4: U15.20 137.66,115.56 138.75,116.64 138.75,120.76 136.54,122.98 U11.9
/GPS and Switches and Light Sensor/Attractor_1: length 4.8
  Bottom w0.4: 118.42,102.81 118.42,104.32 117.47,105.27 117.47,105.5 U12.13
/GPS and Switches and Light Sensor/Attractor_2: length 4.1
  Bottom w0.4: U9.8 119.07,104.96 118.77,105.27 U12.12
/GPS and Switches and Light Sensor/Attractor_3: length 4.6
  Bottom w0.4: U9.9 119.72,104.42 120.15,104.84 120.15,105.58 U12.11 ; 119.65,103.26 119.66,103.25
/GPS and Switches and Light Sensor/C1: length 6.8
  Bottom w0.4: U12.10 123.69,106.59 123.69,105.21 123.68,105.19 121.28,105.19 120.37,104.29 U9.10
/GPS and Switches and Light Sensor/C2: length 8.4
  Bottom w0.4: U12.9 126.39,105.14 125.89,104.64 122.12,104.64 121.02,103.54 U9.11
/GPS and Switches and Light Sensor/Fri: length 21.6
  Bottom w0.4: U11.14 123.84,122.05 133.64,112.26 136.88,112.26 136.88,112.29 U15.15
